# Altium PCB Driver_BLDC.PcbDoc (part 1 of 3)
Units mm, origin at the board's own origin, x right, y up, seen from the top; angles counter-clockwise.
Board outline 200.2 x 290.2 mm, 2 copper layers (Top Layer, Bottom Layer), stack 1.371 mm thick; 324 components, 136 nets, 859 pads, 323 vias.
Unrouted connection lines stored in the file: 128.
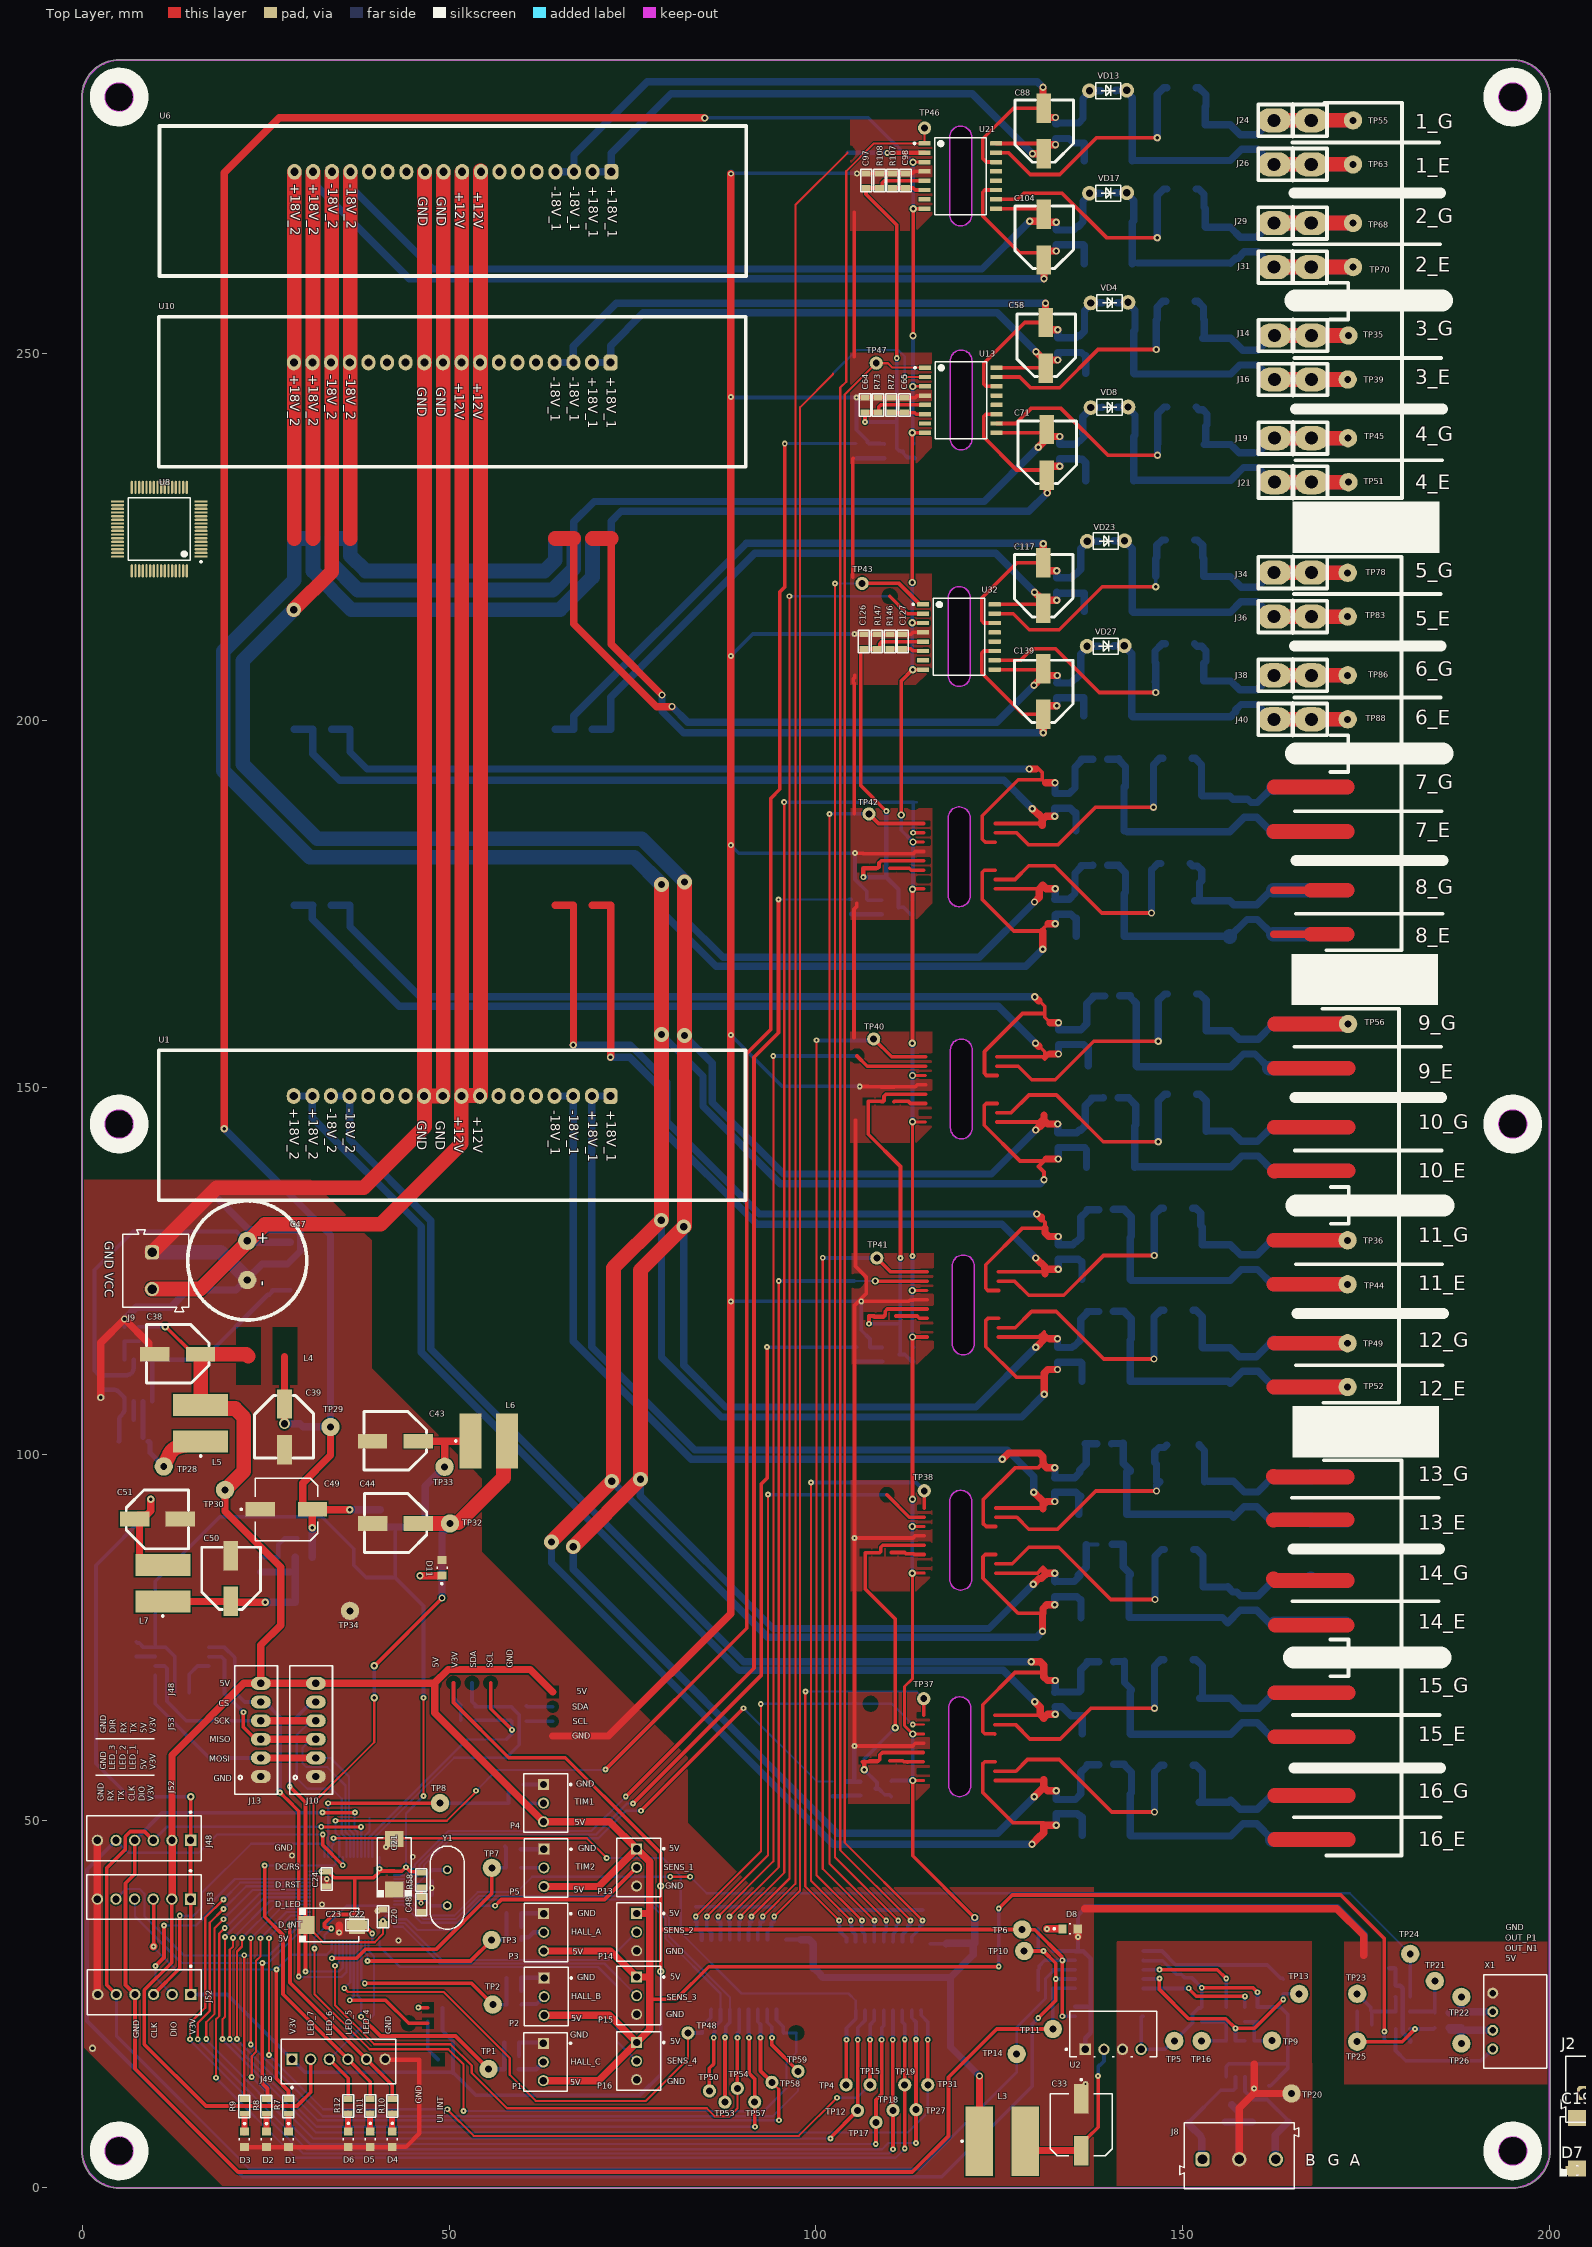
[diagram p0: Top Layer view]
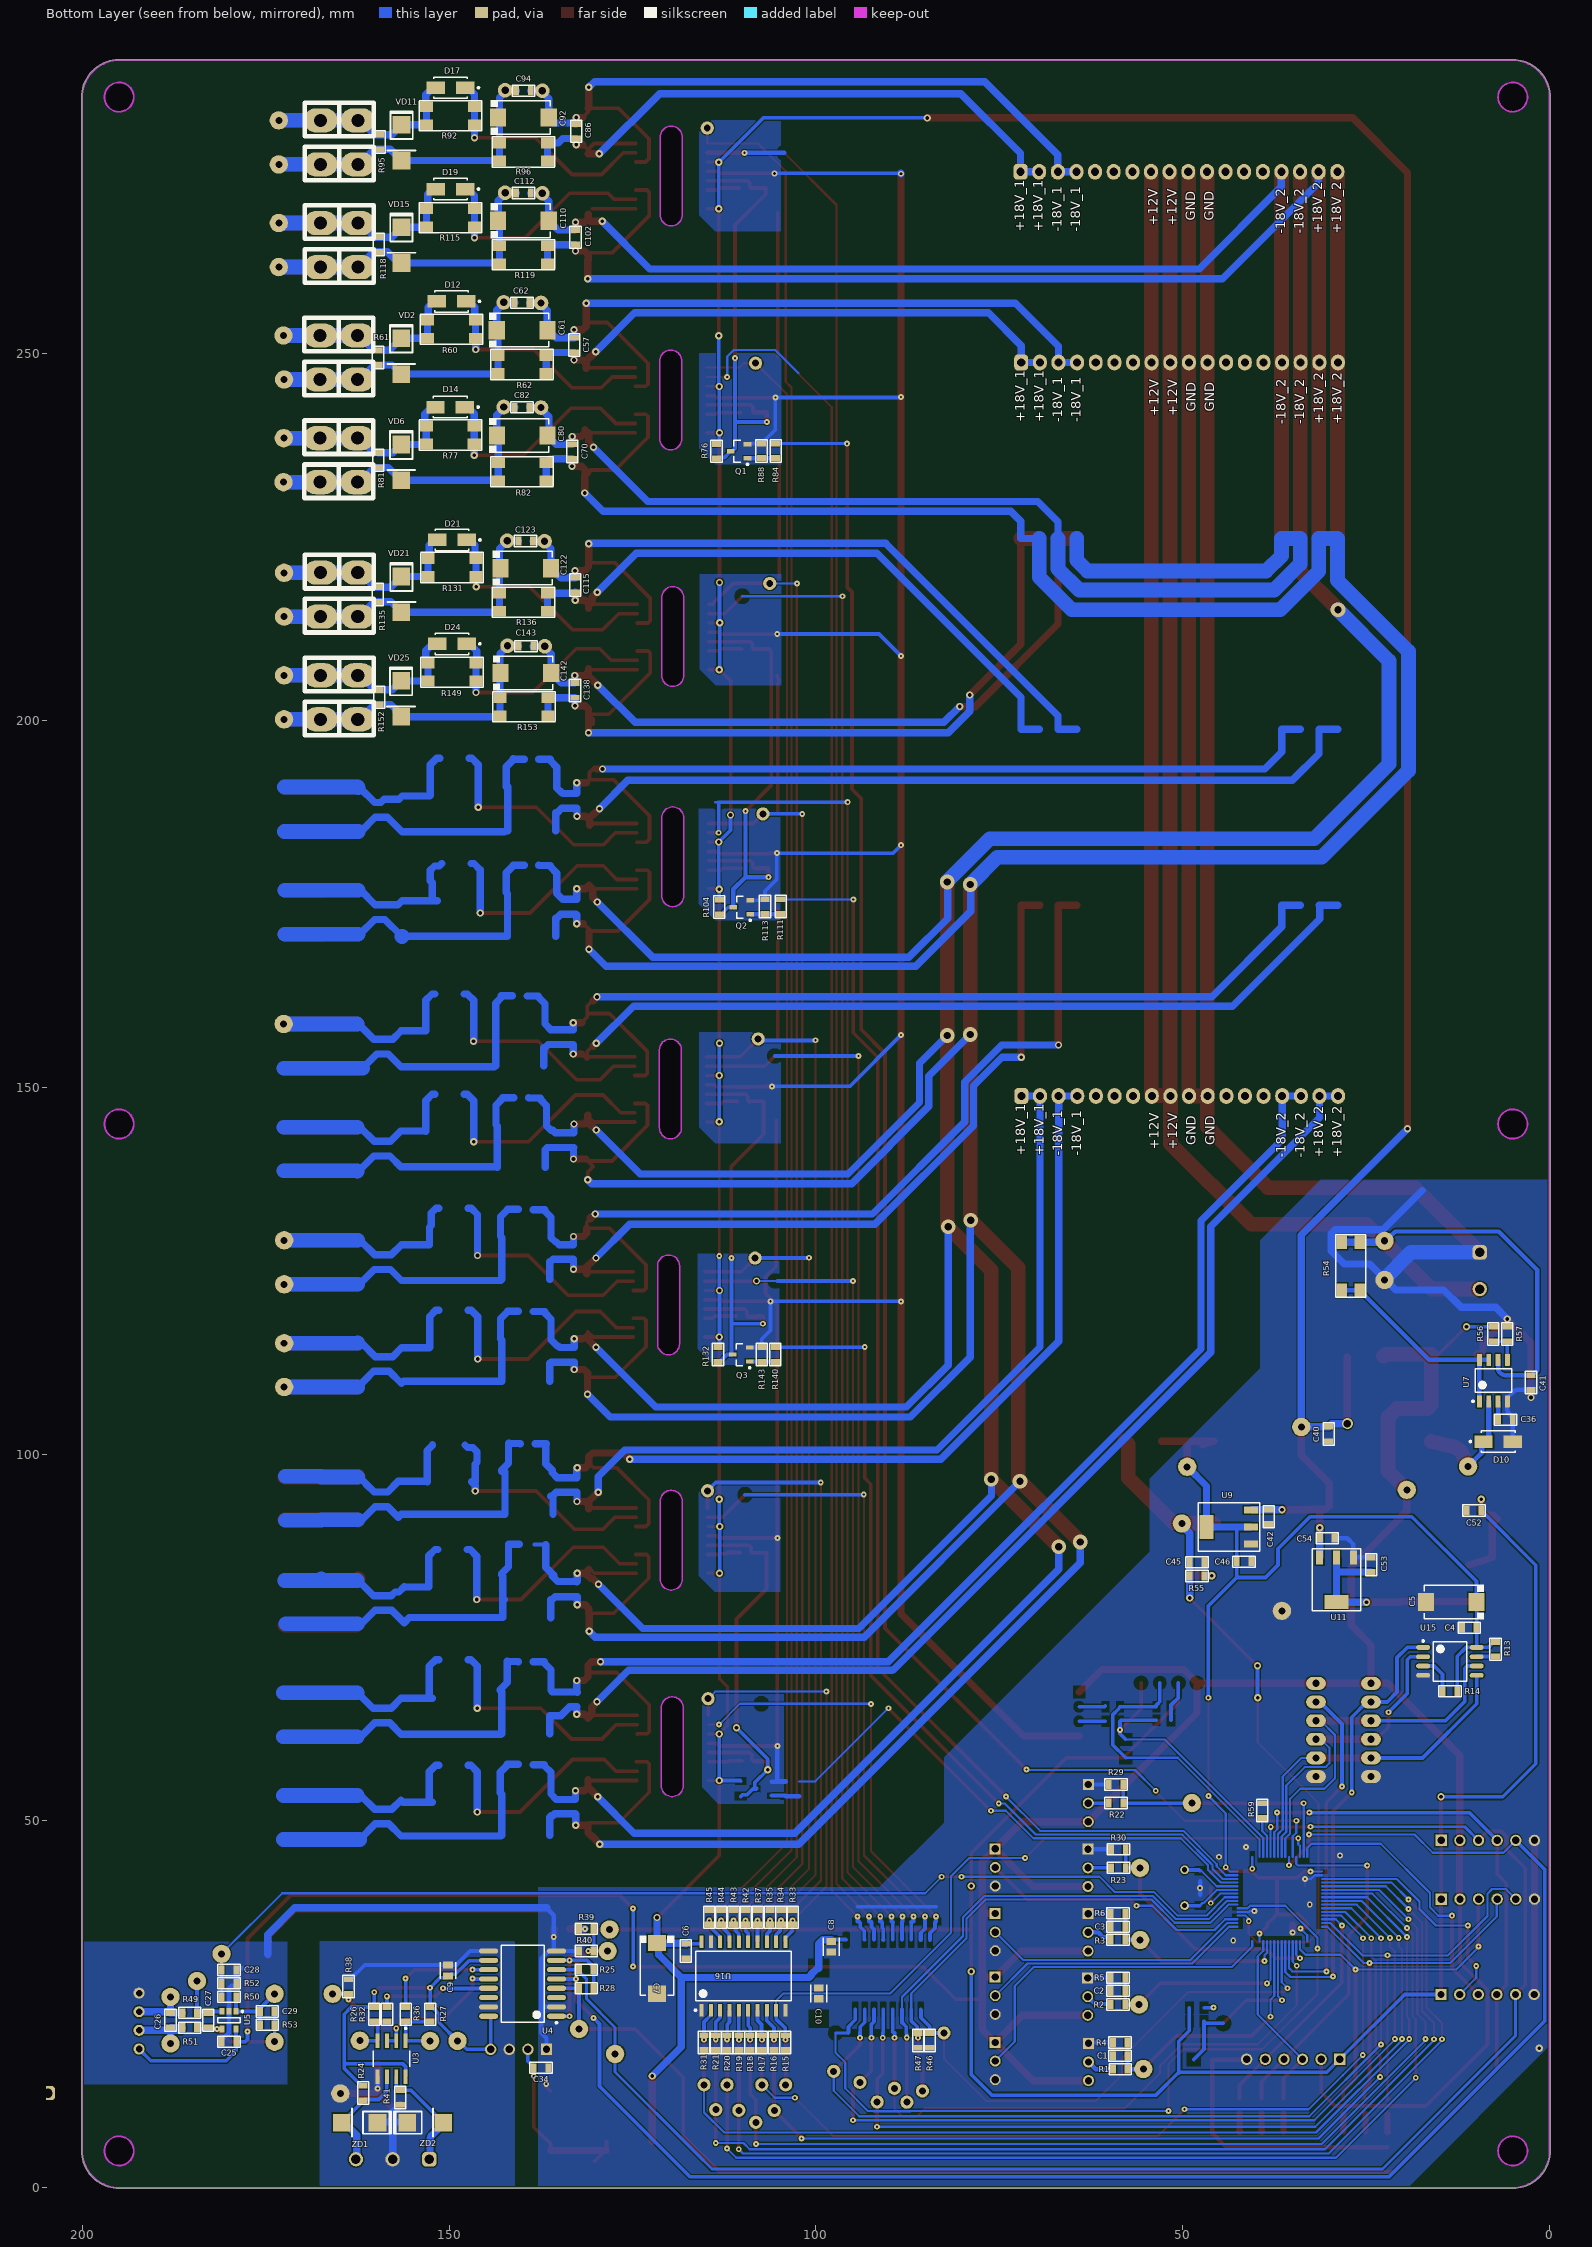
[diagram p1: Bottom Layer view, seen from below]
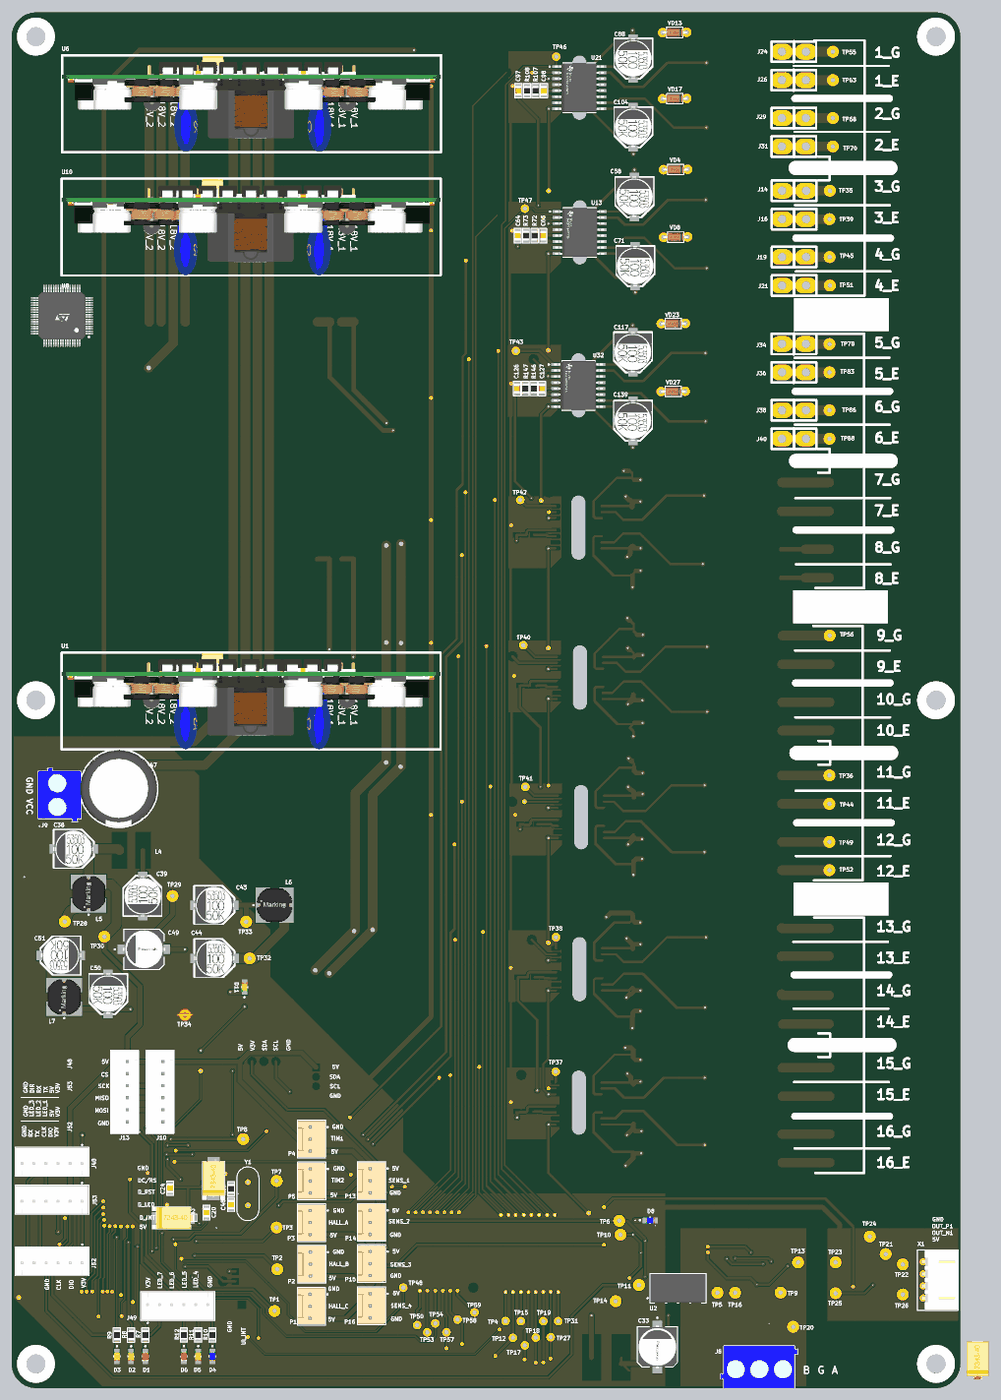
[diagram p4: 3D render of the assembled board from above, using the file's embedded part models]
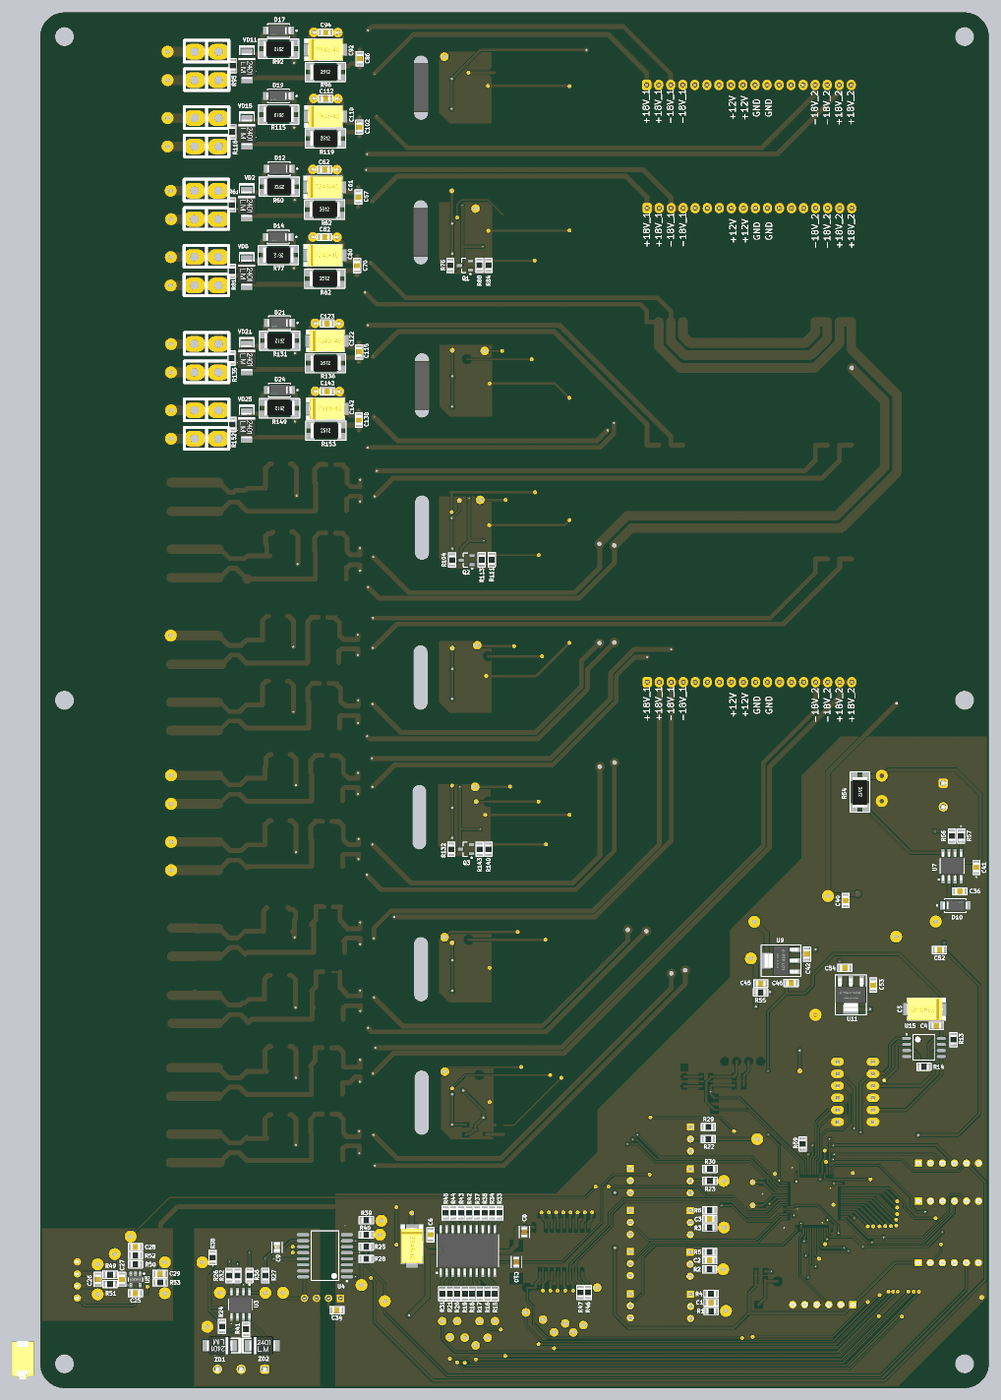
[diagram p5: 3D render of the assembled board from below, using the file's embedded part models]

## Layer stack, top to bottom
Top Solder: solder mask 0.0102, Solder Resist, Dk 3.5
Top Layer: signal copper 0.0356
Dielectric 1: dielectric 1.3, FR-4, Dk 4.8
Bottom Layer: signal copper 0.0356
Bottom Solder: solder mask 0.0102, Solder Resist, Dk 3.5

## Board outline
5,-0.1 cw(c5,5) -0.1,4.994 -0.101,5 -0.1,284.997 -0.1,285 cw(c5,285) 4.997,290.1 5,290.1 195.11,290.1 195.128,290.099 cw(c195,285) 200.1,285.004 200.1,285 200.1,5.003 200.1,5 cw(c195,5) 195,-0.1 194.998,-0.1
cut-out: 5,3 cw(c5,5) 3,5 cw(c5,5) 5,7 cw(c5,5) 7,5 cw(c5,5)
cut-out: 193,5 ccw(c195,5) 195,3 ccw(c195,5) 197,5 ccw(c195,5) 195,7 ccw(c195,5)
cut-out: 5,143 cw(c5,145) 3,145 cw(c5,145) 5,147 cw(c5,145) 7,145 cw(c5,145)
cut-out: 195,143 cw(c195,145) 193,145 cw(c195,145) 195,147 cw(c195,145) 197,145 cw(c195,145)
cut-out: 5,283 cw(c5,285) 3,285 cw(c5,285) 5,287 cw(c5,285) 7,285 cw(c5,285)
cut-out: 195,283 cw(c195,285) 193,285 cw(c195,285) 195,287 cw(c195,285) 197,285 cw(c195,285)
cut-out: 118.23,268.933 118.23,279.532 cw(c119.73,279.532) 121.23,279.532 121.23,268.933 cw(c119.73,268.933)
cut-out: 118.292,238.418 118.292,249.017 cw(c119.792,249.017) 121.292,249.017 121.292,238.418 cw(c119.792,238.418)
cut-out: 118.03,206.144 118.03,216.743 cw(c119.53,216.743) 121.03,216.743 121.03,206.144 cw(c119.53,206.144)
cut-out: 118.023,176.124 ccw(c119.523,176.124) 121.023,176.124 121.023,186.723 ccw(c119.523,186.723) 118.023,186.723
cut-out: 118.585,115.044 ccw(c120.085,115.044) 121.585,115.044 121.585,125.643 ccw(c120.085,125.643) 118.585,125.643
cut-out: 118.334,144.489 ccw(c119.834,144.489) 121.334,144.489 121.334,155.089 ccw(c119.834,155.089) 118.334,155.089
cut-out: 118.234,82.956 ccw(c119.734,82.956) 121.234,82.956 121.234,93.555 ccw(c119.734,93.555) 118.234,93.555
cut-out: 118.094,54.806 118.094,65.405 cw(c119.594,65.405) 121.094,65.405 121.094,54.806 cw(c119.594,54.806)

## Design rules (kind name [scope] priority, off if disabled: settings)
Clearance HV [InNetClass('All Nets') vs InNetClass('HV')] p1: gap=0.2 ignorepadtopadclearanceinfootprint=TRUE except(0: Text-Text Text-Hole; 0.4: THPad-THPad THPad-Via THPad-Fill THPad-Poly THPad-Region THPad-Text THPad-Hole Via-Via Via-Fill Via-Poly Via-Region Via-Text Via-Hole; 0.5: SMDPad-SMDPad SMDPad-THPad SMDPad-Via SMDPad-Fill SMDPad-Poly SMDPad-Region SMDPad-Text SMDPad-Hole Fill-Fill Fill-Poly Fill-Region Fill-Text Fill-Hole Poly-Poly Poly-Region Poly-Text Poly-Hole Region-Region Region-Text Region-Hole)
Clearance Clearance_1 [All] p2: gap=0.18 ignorepadtopadclearanceinfootprint=TRUE
Clearance GND [InNet('GND')] p3: gap=0.4 ignorepadtopadclearanceinfootprint=TRUE except(0.3: Text-Text Text-Hole)
ComponentClearance [All] p1: gap=-2.254 collisioncheckmode=3 verticalgap=0.254 showdistances=FALSE
DiffPairsRouting [All] p1: maxlimit=0.254 minlimit=0.1 mostfreqgap=0.254 toplayer_minwidth=0.3 toplayer_maxwidth=2 toplayer_prefwidth=0.3 bottomlayer_minwidth=0.3 bottomlayer_maxwidth=2 bottomlayer_prefwidth=0.3 maxuncoupledlength=12.7
Height [All] p1: minheight=0 maxheight=100 prefheight=12.7
HoleSize [All] p1: absolutevalues=TRUE maxlimit=5 minlimit=0.025 maxpercent=80.000 minpercent=20.000
HoleToHoleClearance [All] p1: gap=0 allowstackedmicrovias=TRUE
LayerPairs [All] p1 off: enforce=TRUE
MinimumSolderMaskSliver [All] p1: minsoldermaskwidth=0.01
PlaneClearance [All] p1: clearance=0.4
PlaneConnect [All] p1: planeconnectstyle=Direct reliefexpansion=0.508 reliefentries=4 reliefconductorwidth=0.254 reliefairgap=0.254
PolygonConnect [All] p1: connectstyle=Direct reliefconductorwidth=0.254 reliefentries=4 polygonreliefangle="90 Angle" airgapwidth=0.254
RoutingCorners [All] p1: cornerstyle=45-Degree minsetback=0.2 maxsetback=0.2
RoutingVias [All] p1: holewidth=0.4 width=0.8 viastyle="Through Hole" minholewidth=0.254 minwidth=0.5 maxholewidth=0.75 maxwidth=1.5
ShortCircuit [All] p1: allowed=TRUE
SilkToSilkClearance [All] p1 off: silktosilkclearance=0.01
SilkToSolderMaskClearance [All] p1: minsilkscreentomaskgap=0 clearancetoexposedcopper=FALSE
SolderMaskExpansion [All] p1: expansion=0 istentingtop=FALSE
SupplyNets "Schematic Supply Nets_21" [InNet('+24V_1')] p1: voltage=0.000
SupplyNets "Schematic Supply Nets_20" [InNet('+3V3')] p2: voltage=0.000
SupplyNets "Schematic Supply Nets_19" [InNet('+5V_ISO')] p3: voltage=0.000
SupplyNets "Schematic Supply Nets_18" [InNet('+5')] p4: voltage=0.000
SupplyNets "Schematic Supply Nets_17" [InNet('GND_-24V_3')] p5: voltage=0.000
SupplyNets "Schematic Supply Nets_16" [InNet('+3V3_MCU')] p6: voltage=0.000
SupplyNets "Schematic Supply Nets_15" [InNet('GND_-24V_6')] p7: voltage=0.000
SupplyNets "Schematic Supply Nets_14" [InNet('+24V_2')] p8: voltage=0.000
SupplyNets "Schematic Supply Nets_13" [InNet('+24V_4')] p9: voltage=0.000
SupplyNets "Schematic Supply Nets_12" [InNet('GND_-24V_2')] p10: voltage=0.000
SupplyNets "Schematic Supply Nets_11" [InNet('GND_-24V_5')] p11: voltage=0.000
SupplyNets "Schematic Supply Nets_10" [InNet('+24V_3')] p12: voltage=0.000
SupplyNets "Schematic Supply Nets_9" [InNet('+24V_5')] p13: voltage=0.000
SupplyNets "Schematic Supply Nets_8" [InNet('GND_2')] p14: voltage=0.000
SupplyNets "Schematic Supply Nets_7" [InNet('+5V_RS')] p15: voltage=0.000
SupplyNets "Schematic Supply Nets_6" [InNet('+3V3_REF')] p16: voltage=0.000
SupplyNets "Schematic Supply Nets_5" [InNet('+5V_1')] p17: voltage=0.000
SupplyNets "Schematic Supply Nets_4" [InNet('VCC')] p18: voltage=0.000
SupplyNets "Schematic Supply Nets_3" [InNet('+24V_6')] p19: voltage=0.000
SupplyNets "Schematic Supply Nets_2" [InNet('GND_-24V_1')] p20: voltage=0.000
SupplyNets "Schematic Supply Nets_1" [InNet('GND')] p21: voltage=0.000
SupplyNets "Schematic Supply Nets" [InNet('GND_-24V_4')] p22: voltage=0.000
UnRoutedNet [All] p1: checkbadconnections=TRUE
Width [All] p1: maxlimit=10 minlimit=0.254 preferedwidth=2
16 further rules are at their usual default settings.

## Components (designator, comment, footprint, x,y, rotation, side; value= is the part's Value field where it differs from the comment)
C1 "330pF" CAP-0805 58.522,17.957 r180 bottom
C2 "330pF" CAP-0805 58.826,26.832 r180 bottom
C3 "330pF" CAP-0805 58.823,35.552 r180 bottom
C4 "100n" CAP-0805 10.925,76.33 r180 bottom
C5 "CAP-POLAR" CAP-TAN-D 13.4,79.83 r0 bottom
C6 "100n" CAP-0805 117.725,32.25 r90 bottom
C7 "CAP-POLAR" CAP-TAN-D 121.675,29.875 r270 bottom
C8 "16pF" FP-GRM21B-0_1-IPC_C 97.927,32.825 r90 bottom
C9 "C0805C224K5RACTU" FP-C0805C-DN-MFG 150.147,29.604 r90 bottom value="0.22 μF"
C10 "16pF" FP-GRM21B-0_1-IPC_C 99.625,26.475 r270 bottom
C11 "330uF 16V" CAP_SMD_Size_E 251.683,6.334 r0 top
C12 "CAP-NON-POLAR" CAP-0805 219.507,8.984 r90 top
C13 "CAP-NON-POLAR" CAP-0805 225.107,8.984 r90 top
C14 "CAP-NON-POLAR" CAP-0805 230.707,8.984 r90 top
C15 "CAP-NON-POLAR" CAP-0805 236.307,8.984 r90 top
C16 "CAP-NON-POLAR" CAP-0805 241.908,8.984 r90 top
C17 "CAP-NON-POLAR" CAP-0805 213.906,8.984 r90 top
C18 "2,2uF 6,3V" CAP-0805 208.306,8.984 r90 top
C19 "CAP-POLAR" CAP-TAN-D 203.781,6.034 r90 top
C20 "CAP-NON-POLAR" CAP-0805 40.991,36.924 r270 top
C21 "CAP-POLAR" CAP-TAN-D 42.505,44.073 r90 top
C22 "CAP-NON-POLAR" CAP-0805 37.453,35.797 r180 top
C23 "CAP-POLAR" CAP-TAN-D 34.007,35.798 r0 top
C24 "CAP-NON-POLAR" CAP-0805 33.316,42.076 r270 top
C25 "0.1uF" CAP-0805 180.013,19.891 r180 bottom locked
C26 "0.1uF" CAP-0805 187.993,22.818 r90 bottom locked
C27 "0.1uF" CAP-0805 182.836,22.818 r90 bottom locked
C28 "1000pF" CAP-0805 180.019,29.657 r0 bottom locked
C29 "0.1uF" CAP-0805 174.793,23.998 r0 bottom locked
C33 "1000uF_10V" CAP_SMD_Size_G 136.175,8.575 r270 top
C34 "CAP-NON-POLAR" CAP-0805 137.498,16.325 r0 bottom
C36 "470pF" CAP-0805 6.005,104.691 r180 bottom
C38 "330uF 16V" CAP_SMD_Size_E 12.925,113.629 r0 top
C39 "1000uF 6.3V" CAP_SMD_Size_E 27.55,103.647 r90 top locked
C40 "0.1uF" CAP-0805 30.1,102.739 r90 bottom
C41 "0.47uF" CAP-0805 2.52,109.749 r270 bottom
C42 "0.1uF" CAP-0805 38.27,91.459 r90 bottom
C43 "1000uF_6.3V" CAP_SMD_Size_E 42.59,101.759 r0 top
C44 "1000uF_6.3V" CAP_SMD_Size_E 42.63,90.534 r0 top
C45 "0.1uF" CAP-0805 48.035,85.247 r0 bottom
C46 "0.1uF" CAP-0805 41.63,85.339 r0 bottom
C47 "25V_2200uF" "HITANO 3300uF 25V  16x25" 22.475,126.4 r270 top
C48 "0.1uF" CAP-0805 46.195,38.594 r90 top
C49 "1000uF_10V" CAP_SMD_Size_G 27.81,92.459 r0 top locked
C50 "1000uF_6.3V" CAP_SMD_Size_E 20.21,83.109 r270 top locked
C51 "1000uF_6.3V" CAP_SMD_Size_E 10.3,91.159 r180 top
C52 "0.1uF" CAP-0805 10.3,92.302 r180 bottom
C53 "0.1uF" CAP-0805 24.31,84.919 r270 bottom
C54 "0.1uF" CAP-0805 30.29,88.539 r0 bottom
C57 "CAP-NON-POLAR" CAP-0805 132.942,251.188 r270 bottom
C58 "100uF_50V" CAP_SMD_Size_E 131.322,251.228 r270 top
C61 "CAP-POLAR" CAP-TAN-D 140.056,253.233 r180 bottom
C62 "CAP-NON-POLAR" CAP-0805 140.056,256.956 r0 bottom
C64 "CAP-NON-POLAR" CAP-0805 106.683,243.012 r270 top
C65 "CAP-NON-POLAR" CAP-0805 112.072,243.012 r270 top
C70 "CAP-NON-POLAR" CAP-0805 133.222,236.678 r270 bottom
C71 "100uF_50V" CAP_SMD_Size_E 131.472,236.628 r270 top
C80 "CAP-POLAR" CAP-TAN-D 140.042,238.868 r180 bottom
C82 "CAP-NON-POLAR" CAP-0805 140.056,242.698 r0 bottom
C86 "CAP-NON-POLAR" CAP-0805 132.68,280.343 r270 bottom
C88 "100uF_50V" CAP_SMD_Size_E 131.05,280.435 r270 top
C92 "CAP-POLAR" CAP-TAN-D 139.87,282.223 r180 bottom
C94 "CAP-NON-POLAR" CAP-0805 139.87,285.883 r0 bottom
C97 "CAP-NON-POLAR" CAP-0805 106.847,273.603 r270 top
C98 "CAP-NON-POLAR" CAP-0805 112.22,273.603 r270 top
C102 "CAP-NON-POLAR" CAP-0805 132.77,265.883 r270 bottom
C104 "100uF_50V" CAP_SMD_Size_E 131.05,265.973 r270 top
C110 "CAP-POLAR" CAP-TAN-D 139.87,268.143 r180 bottom
C112 "CAP-NON-POLAR" CAP-0805 139.87,271.913 r0 bottom
C115 "CAP-NON-POLAR" CAP-0805 132.81,218.484 r270 bottom
C117 "100uF_50V" CAP_SMD_Size_E 131,218.464 r270 top
C122 "CAP-POLAR" CAP-TAN-D 139.57,220.784 r180 bottom
C123 "CAP-NON-POLAR" CAP-0805 139.57,224.474 r0 bottom
C126 "CAP-NON-POLAR" CAP-0805 106.54,210.758 r270 top
C127 "2.2nF" CAP-0805 111.82,210.759 r270 top
C138 "CAP-NON-POLAR" CAP-0805 132.85,204.114 r270 bottom
C139 "100uF_50V" CAP_SMD_Size_E 131,204.034 r270 top
C142 "CAP-POLAR" CAP-TAN-D 139.54,206.483 r180 bottom
C143 "CAP-NON-POLAR" CAP-0805 139.54,210.153 r0 bottom
D1 "151031YS06000" LED_RED 28.081,6.576 r270 top
D2 "151031YS06000" LED_GREEN 25.081,6.576 r270 top
D3 "151031YS06000" LED_YELLOW 22.081,6.576 r270 top
D4 "151031YS06000" LED_BLUE 42.231,6.601 r270 top
D5 "151031YS06000" LED_GREEN 39.231,6.601 r270 top
D6 "151031YS06000" LED_RED 36.231,6.601 r270 top
D7 "151031YS06000" LED_RED 203.781,2.334 r0 top
D8 "LED" LED_BLUE 134.643,35.267 r0 top
D9 "151031YS06000" LED_RED 209.256,2.334 r0 top
D10 "US1G" US1G_SMA 6.98,101.709 r180 bottom
D11 "151031YS06000" LED_GREEN 49.035,84.485 r90 top
D12 "US1G" US1G_SMA 149.672,257.148 r0 bottom
D14 "US1G" US1G_SMA 149.856,242.738 r0 bottom
D17 "US1G" US1G_SMA 149.81,286.273 r0 bottom
D19 "US1G" US1G_SMA 149.81,272.463 r0 bottom
D21 "US1G" US1G_SMA 149.605,224.619 r0 bottom
D24 "US1G" US1G_SMA 149.61,210.464 r0 bottom
J1 "" 691101710003 219.057,9.809 r90 top
J2 "691101710002" 691101710002 207.206,13.384 r0 top
J8 "" 691101710003 157.702,4.362 r0 top
J9 "691101710002" 691101710002 10,125 r270 top locked
J10 "B6B-XH-TW" B6B-XH-TW 31.193,62.387 r90 top locked
J13 "B6B-XH-TW" B6B-XH-TW 23.693,62.387 r90 top
J14 "G(4)" Klema_PCB_15A 165.042,252.498 r180 top
J16 "E(5)" Klema_PCB_15A 165.042,246.498 r180 top
J19 "G(6)" Klema_PCB_15A 165.042,238.498 r180 top
J21 "E(7)" Klema_PCB_15A 165.042,232.498 r180 top
J24 "G" Klema_PCB_15A 164.99,281.823 r180 top
J26 "E" Klema_PCB_15A 164.99,275.823 r180 top
J29 "G" Klema_PCB_15A 164.99,267.823 r180 top
J31 "E" Klema_PCB_15A 164.99,261.823 r180 top
J34 "G" Klema_PCB_15A 165,220.174 r180 top
J36 "E" Klema_PCB_15A 165,214.174 r180 top
J38 "G" Klema_PCB_15A 165,206.174 r180 top
J40 "E" Klema_PCB_15A 165,200.174 r180 top
J48 "" Sullins_SWR25X-NRTC-S06-ST-BA_MFG 8.397,47.632 r180 top
J49 "" Sullins_SWR25X-NRTC-S06-ST-BA_MFG 34.927,17.196 r0 top
J52 "" Sullins_SWR25X-NRTC-S06-ST-BA_MFG 8.432,26.632 r180 top
J53 "" Sullins_SWR25X-NRTC-S06-ST-BA_MFG 8.387,39.632 r180 top
L3 "744776227" WE-PD2_1054 1395.425,1276.325 r0 top
L4 "744776227" WE-PD2_1054 25.125,113.35 r0 top
L5 "220uH" WE-PD2_7850 16.12,104.209 r90 top
L6 "1000µH, 0.3A" WE-PD2_7850 55.38,101.789 r0 top
L7 "1000µH, 0.3A" WE-PD2_7850 10.96,82.399 r90 top
P1 "61900311121" 61900311121 63.142,17.127 r90 top
P2 "61900311121" 61900311121 63.243,26.027 r90 top
P3 "61900311121" 61900311121 63.193,34.802 r90 top
P4 "61900311121" 61900311121 63.167,52.421 r90 top
P5 "61900311121" 61900311121 63.217,43.591 r90 top
P13 "61900311121" 61900311121 75.855,43.65 r90 top
P14 "61900311121" 61900311121 75.855,34.835 r90 top
P15 "61900311121" 61900311121 75.855,26.165 r90 top
P16 "61900311121" 61900311121 75.855,17.25 r90 top
Q1 "BC847C" INF-SOT23_N 110.475,236.72 r0 bottom
Q2 "BC847C" INF-SOT23_N 110.105,174.563 r0 bottom
Q3 "BC847C" INF-SOT23_N 110.19,113.575 r0 bottom
R1 "10K" RES-0805 58.511,16.147 r180 bottom
R2 "10K" RES-0805 58.826,24.951 r180 bottom
R3 "10K" RES-0805 58.823,33.784 r180 bottom
R4 "10K" RES-0805 58.522,19.787 r0 bottom
R5 "10K" RES-0805 58.826,28.62 r0 bottom
R6 "10K" RES-0805 58.823,37.384 r0 bottom
R7 "220" RES-0805 28.081,11.076 r90 top
R8 "220" RES-0805 25.081,11.076 r90 top
R9 "220" RES-0805 22.081,11.076 r90 top
R10 "220" RES-0805 42.231,11.101 r90 top
R11 "220" RES-0805 39.231,11.101 r90 top
R12 "220" RES-0805 36.231,11.101 r90 top
R13 "10K" RES-0805 7.35,73.397 r270 bottom
R14 "10K" RES-0805 13.568,67.659 r0 bottom
R15 "10K" RES-0805 104.16,19.775 r90 bottom